# KiCad board rabbit_mask_capacitors_right.kicad_pcb (continued)
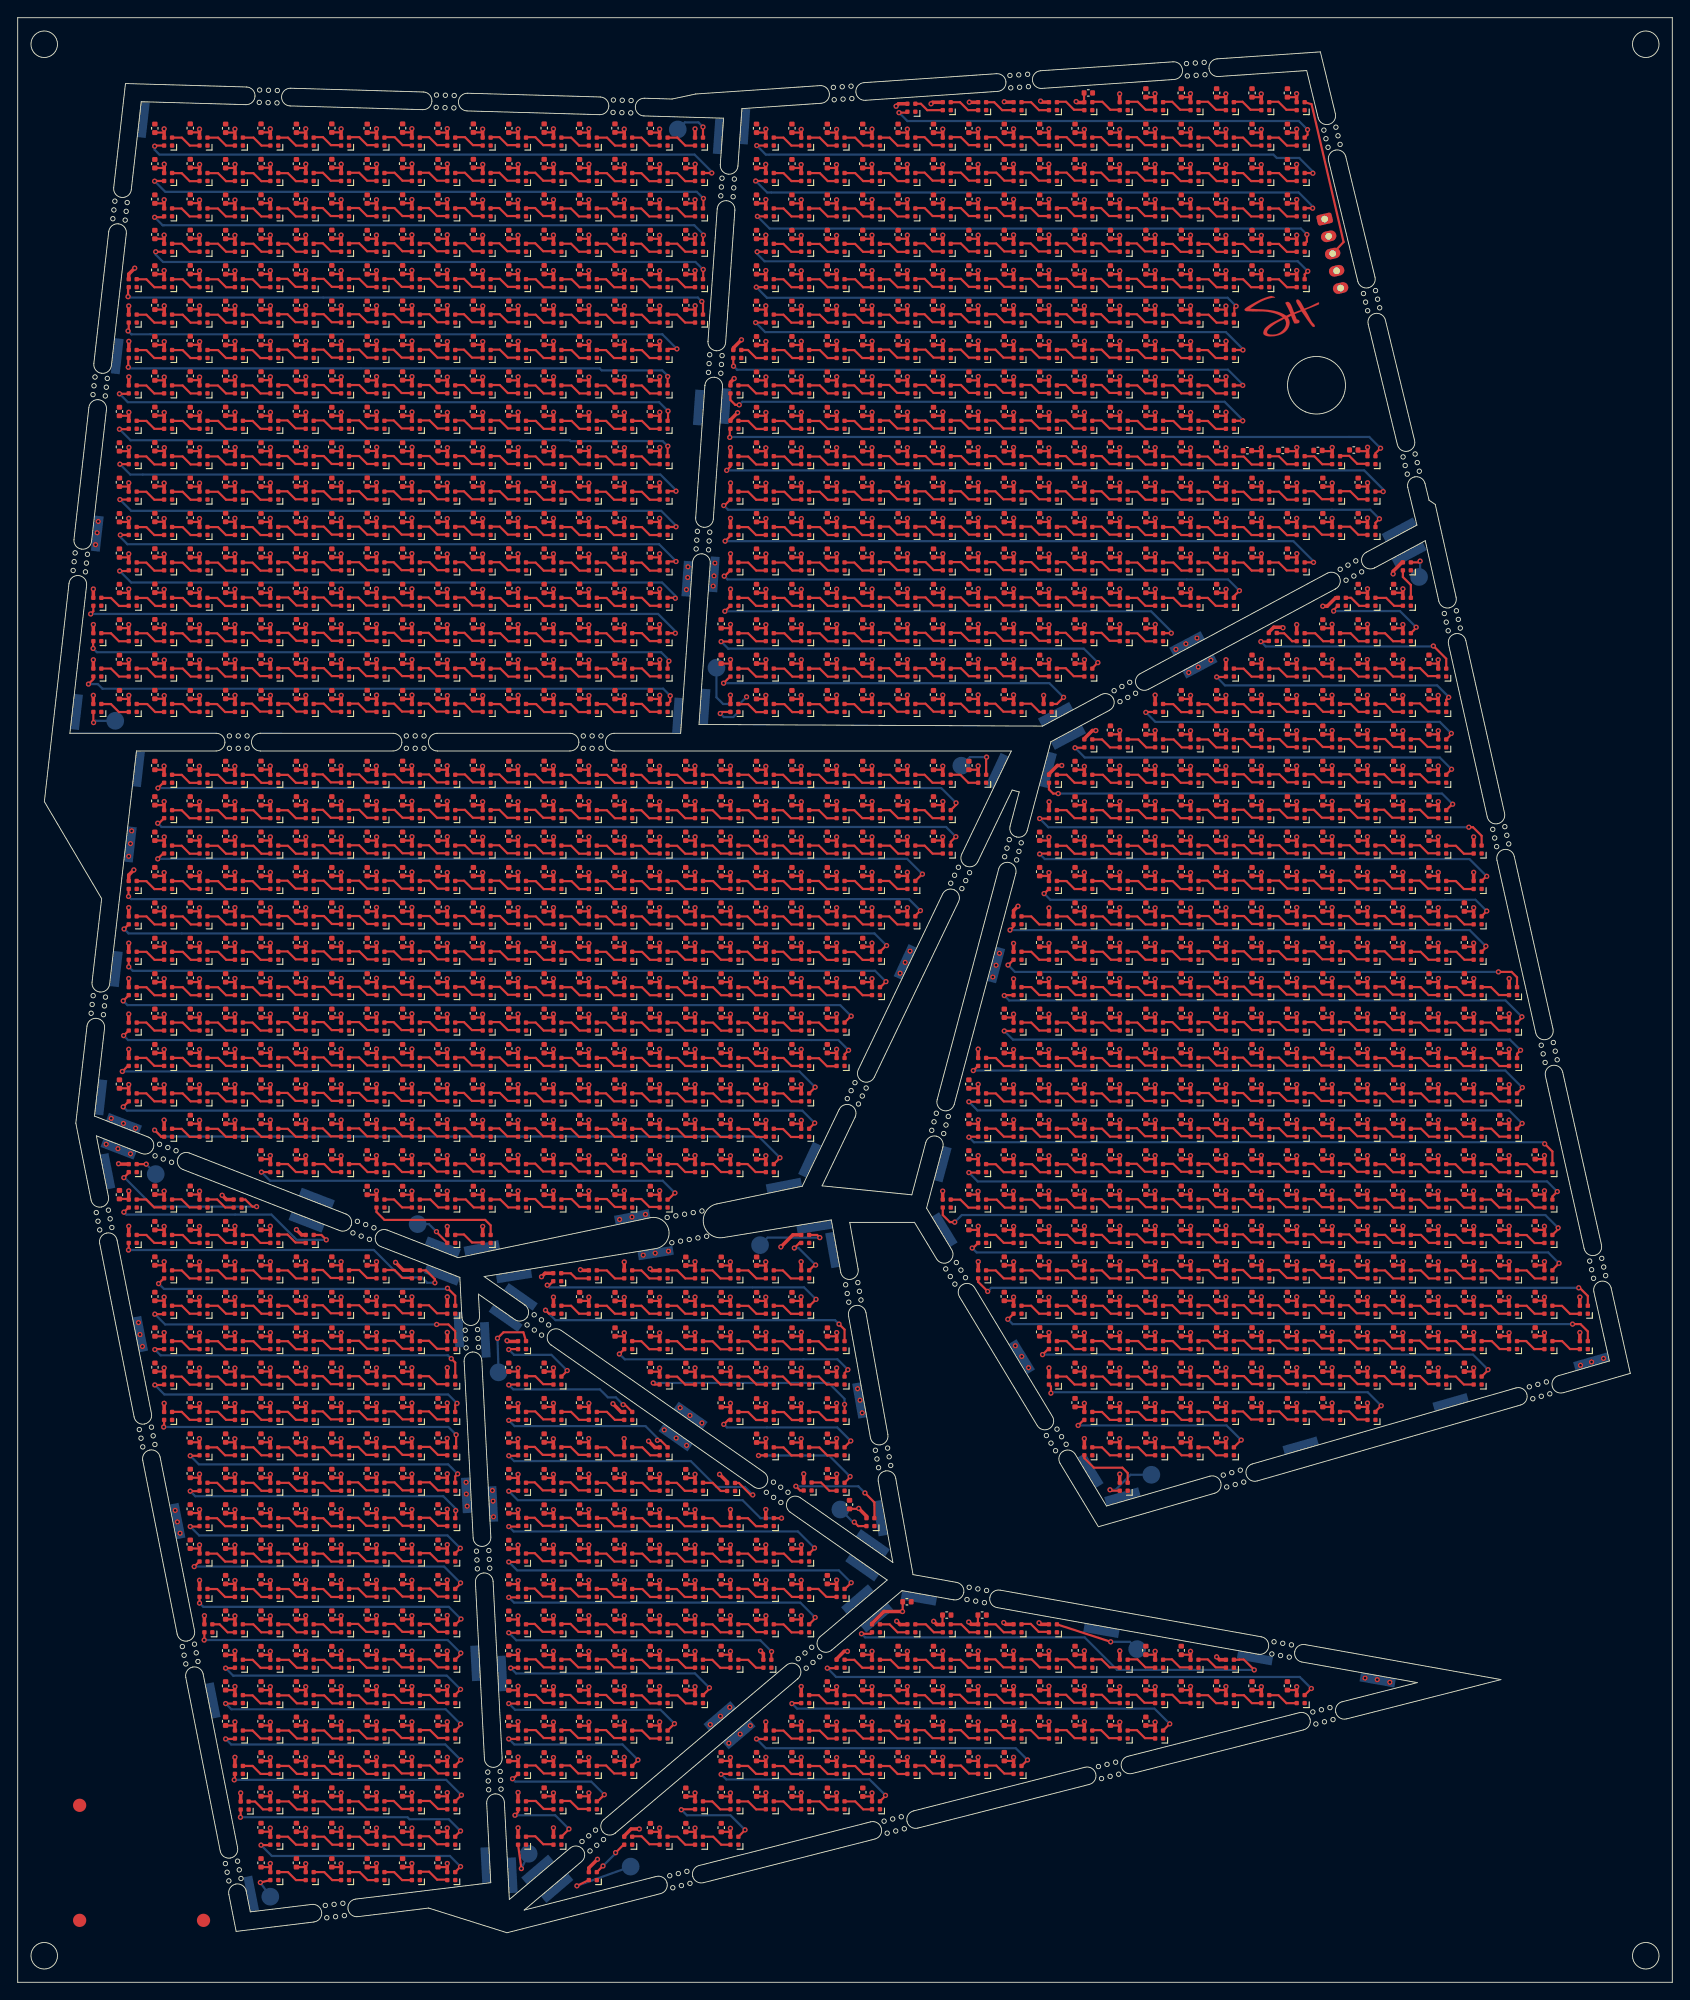
[diagram p0: board, top side]
## Routing (per net, layer and track width the routed paths; a pad name or vN(x,y) marks a point on that pad's centre or on a via; arc(x,y) is an arc through that point) (continued)
  Top w0.25: 101.5,184.49 102.6,184.49 103.5,183.59 104.6,183.59
Net-(D1716-DIN): length 3.5
  Top w0.25: 108.6,183.59 107.5,183.59 106.6,184.49 105.5,184.49
Net-(D1717-DIN): length 3.5
  Top w0.25: 112.5,183.59 111.4,183.59 110.5,184.49 109.4,184.49
Net-(D1718-DIN): length 3.5
  Top w0.25: 116.55,183.59 115.45,183.59 114.55,184.49 113.45,184.49
Net-(D1719-DIN): length 3.5
  Top w0.25: 120.45,183.59 119.35,183.59 118.45,184.49 117.35,184.49
Net-(D1720-DIN): length 3.5
  Top w0.25: 124.5,183.59 123.4,183.59 122.5,184.49 121.4,184.49
Net-(D1721-DIN): length 3.5
  Top w0.25: 128.55,183.54 127.45,183.54 126.55,184.44 125.45,184.44
Net-(D1722-DIN): length 3.5
  Top w0.25: 129.5,184.44 130.6,184.44 131.5,183.54 132.6,183.54
Net-(D1723-DIN): length 3.5
  Top w0.25: 136.5,183.54 135.4,183.54 134.5,184.44 133.4,184.44
Net-(D1725-DIN): length 3.5
  Top w0.25: 16.54,179.54 15.44,179.54 14.54,180.44 13.44,180.44
Net-(D1725-DOUT): length 65
  Top w0.25: v1(73.5,177.55) 73.5,176.5 D1771.1 ; v1(11.5,179.5) 12.5,179.5 D1725.3
  Bottom w0.25: v1(73.5,177.55) 72.5,178.55 12.45,178.55 v1(11.5,179.5)
Net-(D1726-DIN): length 3.5
  Top w0.25: 17.54,180.44 18.64,180.44 19.54,179.54 20.64,179.54
Net-(D1727-DIN): length 3.5
  Top w0.25: 21.54,180.44 22.64,180.44 23.54,179.54 24.64,179.54
Net-(D1728-DIN): length 3.5
  Top w0.25: 28.54,179.54 27.44,179.54 26.54,180.44 25.44,180.44
Net-(D1729-DIN): length 3.5
  Top w0.25: 32.49,179.59 31.39,179.59 30.49,180.49 29.39,180.49
Net-(D1730-DIN): length 3.5
  Top w0.25: 33.49,180.49 34.59,180.49 35.49,179.59 36.59,179.59
Net-(D1731-DIN): length 3.5
  Top w0.25: 40.59,179.59 39.49,179.59 38.59,180.49 37.49,180.49
Net-(D1732-DIN): length 3.5
  Top w0.25: 41.39,180.49 42.49,180.49 43.39,179.59 44.49,179.59
Net-(D1733-DIN): length 3.5
  Top w0.25: 45.44,180.49 46.54,180.49 47.44,179.59 48.54,179.59
Net-(D1734-DIN): length 3.5
  Top w0.25: 49.34,180.49 50.44,180.49 51.34,179.59 52.44,179.59
Net-(D1735-DIN): length 3.5
  Top w0.25: 56.49,179.59 55.39,179.59 54.49,180.49 53.39,180.49
Net-(D1736-DIN): length 3.5
  Top w0.25: 60.54,179.54 59.44,179.54 58.54,180.44 57.44,180.44
Net-(D1737-DIN): length 3.5
  Top w0.25: 64.59,179.54 63.49,179.54 62.59,180.44 61.49,180.44
Net-(D1738-DIN): length 3.5
  Top w0.25: 68.49,179.54 67.39,179.54 66.49,180.44 65.39,180.44
Net-(D1739-DIN): length 3.5
  Top w0.25: 69.44,180.44 70.54,180.44 71.44,179.54 72.54,179.54
Net-(D1741-DIN): length 3.5
  Top w0.25: D1742.3 83.45,179.55 82.55,180.45 D1741.1
Net-(D1741-DOUT): length 61
  Top w0.25: v1(81.55,178.25) 81.1,178.25 80.55,178.8 D1741.3 ; v1(138.45,176.45) D1786.1
  Bottom w0.25: v1(138.45,176.45) 138.45,176.55 136.4,178.6 81.9,178.6 v1(81.55,178.25)
Net-(D1742-DIN): length 3.5
  Top w0.25: 85.55,180.45 86.65,180.45 87.55,179.55 88.65,179.55
Net-(D1743-DIN): length 3.5
  Top w0.25: 89.55,180.45 90.65,180.45 91.55,179.55 92.65,179.55
Net-(D1744-DIN): length 3.5
  Top w0.25: D1745.3 95.45,179.55 94.55,180.45 D1744.1
Net-(D1745-DIN): length 3.5
  Top w0.25: 97.4,180.5 98.5,180.5 99.4,179.6 100.5,179.6
Net-(D1746-DIN): length 3.5
  Top w0.25: 101.5,180.5 102.6,180.5 103.5,179.6 104.6,179.6
Net-(D1747-DIN): length 3.5
  Top w0.25: 105.5,180.5 106.6,180.5 107.5,179.6 108.6,179.6
Net-(D1748-DIN): length 3.5
  Top w0.25: 109.4,180.5 110.5,180.5 111.4,179.6 112.5,179.6
Net-(D1749-DIN): length 3.5
  Top w0.25: 113.45,180.5 114.55,180.5 115.45,179.6 116.55,179.6
Net-(D1750-DIN): length 3.5
  Top w0.25: 120.45,179.6 119.35,179.6 118.45,180.5 117.35,180.5
Net-(D1751-DIN): length 3.5
  Top w0.25: 121.4,180.5 122.5,180.5 123.4,179.6 124.5,179.6
Net-(D1752-DIN): length 3.5
  Top w0.25: D1752.1 126.55,180.45 127.45,179.55 D1753.3
Net-(D1753-DIN): length 3.5
  Top w0.25: 129.5,180.45 130.6,180.45 131.5,179.55 132.6,179.55
Net-(D1754-DIN): length 3.5
  Top w0.25: 136.5,179.55 135.4,179.55 134.5,180.45 133.4,180.45
Net-(D1756-DIN): length 3.5
  Top w0.25: 16.55,175.54 15.45,175.54 14.55,176.44 13.45,176.44
Net-(D1756-DOUT): length 65
  Top w0.25: v1(73.48,173.57) 73.45,173.55 D1802.1 ; v1(11.5,175.5) 12.5,175.5 D1756.3
  Bottom w0.25: v1(73.48,173.57) 72.89,174.16 62.49,174.16 62.4,174.25 12.75,174.25 v1(11.5,175.5)
Net-(D1757-DIN): length 3.5
  Top w0.25: 17.55,176.44 18.65,176.44 19.55,175.54 20.65,175.54
Net-(D1758-DIN): length 3.5
  Top w0.25: 24.65,175.54 23.55,175.54 22.65,176.44 21.55,176.44
Net-(D1759-DIN): length 3.5
  Top w0.25: 25.45,176.44 26.55,176.44 27.45,175.54 28.55,175.54
Net-(D1760-DIN): length 3.5
  Top w0.25: 29.4,176.49 30.5,176.49 31.4,175.59 32.5,175.59
Net-(D1761-DIN): length 3.5
  Top w0.25: 33.5,176.49 34.6,176.49 35.5,175.59 36.6,175.59
Net-(D1762-DIN): length 3.5
  Top w0.25: 40.6,175.59 39.5,175.59 38.6,176.49 37.5,176.49
Net-(D1763-DIN): length 3.5
  Top w0.25: 41.4,176.49 42.5,176.49 43.4,175.59 44.5,175.59
Net-(D1764-DIN): length 3.5
  Top w0.25: 45.45,176.49 46.55,176.49 47.45,175.59 48.55,175.59
Net-(D1765-DIN): length 3.5
  Top w0.25: 52.45,175.59 51.35,175.59 50.45,176.49 49.35,176.49
Net-(D1766-DIN): length 3.5
  Top w0.25: 56.5,175.59 55.4,175.59 54.5,176.49 53.4,176.49
Net-(D1767-DIN): length 3.5
  Top w0.25: 60.55,175.54 59.45,175.54 58.55,176.44 57.45,176.44
Net-(D1768-DIN): length 3.5
  Top w0.25: 61.5,176.44 62.6,176.44 63.5,175.54 64.6,175.54
Net-(D1769-DIN): length 3.5
  Top w0.25: 68.5,175.54 67.4,175.54 66.5,176.44 65.4,176.44
Net-(D1770-DIN): length 3.5
  Top w0.25: 69.45,176.44 70.55,176.44 71.45,175.54 72.55,175.54
Net-(D1772-DIN): length 3.5
  Top w0.25: 81.46,176.43 82.56,176.43 83.46,175.53 84.56,175.53
Net-(D1772-DOUT): length 76.2
  Top w0.25: D1772.3 80.48,175.47 v1(80.48,174.57) ; v1(154.02,173.35) 153.45,172.78 D1821.1
  Bottom w0.25: v1(154.02,173.35) 152.75,174.62 80.52,174.62 v1(80.48,174.57)
Net-(D1773-DIN): length 3.5
  Top w0.25: 85.56,176.43 86.66,176.43 87.56,175.53 88.66,175.53
Net-(D1774-DIN): length 3.5
  Top w0.25: 92.66,175.53 91.56,175.53 90.66,176.43 89.56,176.43
Net-(D1775-DIN): length 3.5
  Top w0.25: 96.56,175.53 95.46,175.53 94.56,176.43 93.46,176.43
Net-(D1776-DIN): length 3.5
  Top w0.25: 97.41,176.48 98.51,176.48 99.41,175.58 100.51,175.58
Net-(D1777-DIN): length 3.5
  Top w0.25: 101.51,176.48 102.61,176.48 103.51,175.58 104.61,175.58
Net-(D1778-DIN): length 3.5
  Top w0.25: 105.51,176.48 106.61,176.48 107.51,175.58 108.61,175.58
Net-(D1779-DIN): length 3.5
  Top w0.25: 109.41,176.48 110.51,176.48 111.41,175.58 112.51,175.58
Net-(D1780-DIN): length 3.5
  Top w0.25: 113.46,176.48 114.56,176.48 115.46,175.58 116.56,175.58
Net-(D1781-DIN): length 3.5
  Top w0.25: 117.36,176.48 118.46,176.48 119.36,175.58 120.46,175.58
Net-(D1782-DIN): length 3.5
  Top w0.25: 121.41,176.48 122.51,176.48 123.41,175.58 124.51,175.58
Net-(D1783-DIN): length 3.5
  Top w0.25: 128.56,175.53 127.46,175.53 126.56,176.43 125.46,176.43
Net-(D1784-DIN): length 3.5
  Top w0.25: 132.61,175.53 131.51,175.53 130.61,176.43 129.51,176.43
Net-(D1785-DIN): length 3.5
  Top w0.25: 133.41,176.43 134.51,176.43 135.41,175.53 136.51,175.53
Net-(D1787-DIN): length 3.5
  Top w0.25: 13.44,172.42 14.54,172.42 15.44,171.52 16.54,171.52
Net-(D1787-DOUT): length 66.1
  Top w0.25: v1(74.4,168.5) 73.5,168.5 D1837.1 ; D1787.3 v1(11.55,171.55)
  Bottom w0.25: v1(11.55,171.55) 12.72,170.38 72.64,170.38 74.4,168.61 v1(74.4,168.5)
Net-(D1788-DIN): length 3.5
  Top w0.25: 17.54,172.42 18.64,172.42 19.54,171.52 20.64,171.52
Net-(D1789-DIN): length 3.5
  Top w0.25: 24.64,171.52 23.54,171.52 22.64,172.42 21.54,172.42
Net-(D1790-DIN): length 3.5
  Top w0.25: 28.54,171.52 27.44,171.52 26.54,172.42 25.44,172.42
Net-(D1791-DIN): length 3.5
  Top w0.25: 32.49,171.57 31.39,171.57 30.49,172.47 29.39,172.47
Net-(D1792-DIN): length 3.5
  Top w0.25: 36.59,171.57 35.49,171.57 34.59,172.47 33.49,172.47
Net-(D1793-DIN): length 3.5
  Top w0.25: 40.59,171.57 39.49,171.57 38.59,172.47 37.49,172.47
Net-(D1794-DIN): length 3.5
  Top w0.25: 41.39,172.47 42.49,172.47 43.39,171.57 44.49,171.57
Net-(D1795-DIN): length 3.5
  Top w0.25: 48.54,171.57 47.44,171.57 46.54,172.47 45.44,172.47
Net-(D1796-DIN): length 3.5
  Top w0.25: 52.44,171.57 51.34,171.57 50.44,172.47 49.34,172.47
Net-(D1797-DIN): length 3.5
  Top w0.25: 56.49,171.57 55.39,171.57 54.49,172.47 53.39,172.47
Net-(D1798-DIN): length 3.5
  Top w0.25: 57.44,172.42 58.54,172.42 59.44,171.52 60.54,171.52
Net-(D1799-DIN): length 3.5
  Top w0.25: 61.49,172.42 62.59,172.42 63.49,171.52 64.59,171.52
Net-(D1800-DIN): length 3.5
  Top w0.25: 65.39,172.42 66.49,172.42 67.39,171.52 68.49,171.52
Net-(D1801-DIN): length 3.5
  Top w0.25: 69.44,172.42 70.54,172.42 71.44,171.52 72.54,171.52
Net-(D1803-DIN): length 3.5
  Top w0.25: 81.46,172.41 82.56,172.41 83.46,171.51 84.56,171.51
Net-(D1803-DOUT): length 77.1
  Top w0.25: D1803.3 80.55,171.28 v1(80.12,170.85) ; v1(154.32,168.45) D1856.1
  Bottom w0.25: v1(154.32,168.45) 154.32,168.7 152.18,170.85 v1(80.12,170.85)
Net-(D1804-DIN): length 3.5
  Top w0.25: 85.56,172.41 86.66,172.41 87.56,171.51 88.66,171.51
Net-(D1805-DIN): length 3.5
  Top w0.25: 92.66,171.51 91.56,171.51 90.66,172.41 89.56,172.41
Net-(D1806-DIN): length 3.5
  Top w0.25: 93.46,172.41 94.56,172.41 95.46,171.51 96.56,171.51
Net-(D1807-DIN): length 3.5
  Top w0.25: 97.41,172.46 98.51,172.46 99.41,171.56 100.51,171.56
Net-(D1808-DIN): length 3.5
  Top w0.25: 101.51,172.46 102.61,172.46 103.51,171.56 104.61,171.56
Net-(D1809-DIN): length 3.5
  Top w0.25: 108.61,171.56 107.51,171.56 106.61,172.46 105.51,172.46
Net-(D1810-DIN): length 3.5
  Top w0.25: 112.51,171.56 111.41,171.56 110.51,172.46 109.41,172.46
Net-(D1811-DIN): length 3.5
  Top w0.25: 113.46,172.46 114.56,172.46 115.46,171.56 116.56,171.56
Net-(D1812-DIN): length 3.5
  Top w0.25: 117.36,172.46 118.46,172.46 119.36,171.56 120.46,171.56
Net-(D1813-DIN): length 3.5
  Top w0.25: 121.41,172.46 122.51,172.46 123.41,171.56 124.51,171.56
Net-(D1814-DIN): length 3.5
  Top w0.25: 125.46,172.41 126.56,172.41 127.46,171.51 128.56,171.51
Net-(D1815-DIN): length 3.5
  Top w0.25: 129.51,172.41 130.61,172.41 131.51,171.51 132.61,171.51
Net-(D1816-DIN): length 3.5
  Top w0.25: 133.41,172.41 134.51,172.41 135.41,171.51 136.51,171.51
Net-(D1817-DIN): length 3.5
  Top w0.25: 137.46,172.41 138.56,172.41 139.46,171.51 140.56,171.51
Net-(D1818-DIN): length 3.5
  Top w0.25: 144.54,171.54 143.44,171.54 142.54,172.44 141.44,172.44
Net-(D1819-DIN): length 3.5
  Top w0.25: 148.54,171.54 147.44,171.54 146.54,172.44 145.44,172.44
Net-(D1820-DIN): length 3.5
  Top w0.25: 149.39,172.49 150.49,172.49 151.39,171.59 152.49,171.59
Net-(D1822-DIN): length 3.5
  Top w0.25: 13.44,168.43 14.54,168.43 15.44,167.53 16.54,167.53
Net-(D1822-DOUT): length 66.2
  Top w0.25: v1(74.4,164.47) 74.38,164.45 D1872.1 ; v1(11.55,167.55) D1822.3
  Bottom w0.25: v1(74.4,164.47) 74.4,164.6 72.73,166.28 12.82,166.28 v1(11.55,167.55)
Net-(D1823-DIN): length 3.5
  Top w0.25: 17.54,168.43 18.64,168.43 19.54,167.53 20.64,167.53
Net-(D1824-DIN): length 3.5
  Top w0.25: 24.64,167.53 23.54,167.53 22.64,168.43 21.54,168.43
Net-(D1825-DIN): length 3.5
  Top w0.25: 25.44,168.43 26.54,168.43 27.44,167.53 28.54,167.53
Net-(D1826-DIN): length 3.5
  Top w0.25: 32.49,167.58 31.39,167.58 30.49,168.48 29.39,168.48
Net-(D1827-DIN): length 3.5
  Top w0.25: 36.59,167.58 35.49,167.58 34.59,168.48 33.49,168.48
Net-(D1828-DIN): length 3.5
  Top w0.25: 37.49,168.48 38.59,168.48 39.49,167.58 40.59,167.58
Net-(D1829-DIN): length 3.5
  Top w0.25: 44.49,167.58 43.39,167.58 42.49,168.48 41.39,168.48
Net-(D1830-DIN): length 3.5
  Top w0.25: 45.44,168.48 46.54,168.48 47.44,167.58 48.54,167.58
Net-(D1831-DIN): length 3.5
  Top w0.25: 49.34,168.48 50.44,168.48 51.34,167.58 52.44,167.58
Net-(D1832-DIN): length 3.5
  Top w0.25: 53.39,168.48 54.49,168.48 55.39,167.58 56.49,167.58
Net-(D1833-DIN): length 3.5
  Top w0.25: 60.54,167.53 59.44,167.53 58.54,168.43 57.44,168.43
Net-(D1834-DIN): length 3.5
  Top w0.25: 61.49,168.43 62.59,168.43 63.49,167.53 64.59,167.53
Net-(D1835-DIN): length 3.5
  Top w0.25: 65.39,168.43 66.49,168.43 67.39,167.53 68.49,167.53
Net-(D1836-DIN): length 3.5
  Top w0.25: 69.44,168.43 70.54,168.43 71.44,167.53 72.54,167.53
Net-(D1838-DIN): length 3.5
  Top w0.25: 84.55,167.53 83.45,167.53 82.55,168.43 81.45,168.43
Net-(D1838-DOUT): length 76.9
  Top w0.25: v1(153.9,165.38) 153.45,164.93 D1891.1 ; v1(79.8,166.88) 79.88,166.88 D1838.3
  Bottom w0.25: v1(153.9,165.38) 152.88,166.4 80.27,166.4 v1(79.8,166.88)
Net-(D1839-DIN): length 3.5
  Top w0.25: 85.55,168.43 86.65,168.43 87.55,167.53 88.65,167.53
Net-(D1840-DIN): length 3.5
  Top w0.25: 89.55,168.43 90.65,168.43 91.55,167.53 92.65,167.53
Net-(D1841-DIN): length 3.5
  Top w0.25: 93.45,168.43 94.55,168.43 95.45,167.53 96.55,167.53
Net-(D1842-DIN): length 3.5
  Top w0.25: 100.5,167.58 99.4,167.58 98.5,168.48 97.4,168.48
Net-(D1843-DIN): length 3.5
  Top w0.25: 104.6,167.58 103.5,167.58 102.6,168.48 101.5,168.48
Net-(D1844-DIN): length 3.5
  Top w0.25: 108.6,167.58 107.5,167.58 106.6,168.48 105.5,168.48
Net-(D1845-DIN): length 3.5
  Top w0.25: 112.5,167.58 111.4,167.58 110.5,168.48 109.4,168.48
Net-(D1846-DIN): length 3.5
  Top w0.25: 113.45,168.48 114.55,168.48 115.45,167.58 116.55,167.58
Net-(D1847-DIN): length 3.5
  Top w0.25: 120.45,167.58 119.35,167.58 118.45,168.48 117.35,168.48
Net-(D1848-DIN): length 3.5
  Top w0.25: 121.4,168.48 122.5,168.48 123.4,167.58 124.5,167.58
Net-(D1849-DIN): length 3.5
  Top w0.25: 125.45,168.43 126.55,168.43 127.45,167.53 128.55,167.53
Net-(D1850-DIN): length 3.5
  Top w0.25: 132.6,167.53 131.5,167.53 130.6,168.43 129.5,168.43
Net-(D1851-DIN): length 3.5
  Top w0.25: 133.4,168.43 134.5,168.43 135.4,167.53 136.5,167.53
Net-(D1852-DIN): length 3.5
  Top w0.25: 140.55,167.53 139.45,167.53 138.55,168.43 137.45,168.43
Net-(D1853-DIN): length 3.5
  Top w0.25: 141.45,168.44 142.55,168.44 143.45,167.54 144.55,167.54
Net-(D1854-DIN): length 3.5
  Top w0.25: 145.4,168.49 146.5,168.49 147.4,167.59 148.5,167.59
Net-(D1855-DIN): length 3.5
  Top w0.25: 152.6,167.59 151.5,167.59 150.6,168.49 149.5,168.49
Net-(D1857-DIN): length 3.5
  Top w0.25: 16.54,163.54 15.44,163.54 14.54,164.44 13.44,164.44
Net-(D1857-DOUT): length 66.2
  Top w0.25: D1907.1 73.55,160.55 v1(74.4,160.55) ; D1857.3 v1(11.6,163.55)
  Bottom w0.25: v1(11.6,163.55) 11.6,163.3 12.4,162.5 72.49,162.5 74.4,160.59 v1(74.4,160.55)
Net-(D1858-DIN): length 3.5
  Top w0.25: 17.54,164.44 18.64,164.44 19.54,163.54 20.64,163.54
Net-(D1859-DIN): length 3.5
  Top w0.25: 24.64,163.54 23.54,163.54 22.64,164.44 21.54,164.44
Net-(D1860-DIN): length 3.5
  Top w0.25: 25.44,164.44 26.54,164.44 27.44,163.54 28.54,163.54
Net-(D1861-DIN): length 3.5
  Top w0.25: 29.39,164.49 30.49,164.49 31.39,163.59 32.49,163.59
Net-(D1862-DIN): length 3.5
  Top w0.25: 36.59,163.59 35.49,163.59 34.59,164.49 33.49,164.49
Net-(D1863-DIN): length 3.5
  Top w0.25: 40.59,163.59 39.49,163.59 38.59,164.49 37.49,164.49
Net-(D1864-DIN): length 3.5
  Top w0.25: 44.49,163.59 43.39,163.59 42.49,164.49 41.39,164.49
Net-(D1865-DIN): length 3.5
  Top w0.25: 45.44,164.49 46.54,164.49 47.44,163.59 48.54,163.59
Net-(D1866-DIN): length 3.5
  Top w0.25: 52.44,163.59 51.34,163.59 50.44,164.49 49.34,164.49
Net-(D1867-DIN): length 3.5
  Top w0.25: 53.39,164.49 54.49,164.49 55.39,163.59 56.49,163.59
Net-(D1868-DIN): length 3.5
  Top w0.25: 57.44,164.44 58.54,164.44 59.44,163.54 60.54,163.54
Net-(D1869-DIN): length 3.5
  Top w0.25: 61.49,164.44 62.59,164.44 63.49,163.54 64.59,163.54
Net-(D1870-DIN): length 3.5
  Top w0.25: 68.49,163.54 67.39,163.54 66.49,164.44 65.39,164.44
Net-(D1871-DIN): length 3.5
  Top w0.25: 69.44,164.44 70.54,164.44 71.44,163.54 72.54,163.54
Net-(D1873-DIN): length 3.5
  Top w0.25: 84.55,163.54 83.45,163.54 82.55,164.44 81.45,164.44
Net-(D1873-DOUT): length 69.5
  Top w0.25: D1873.3 80.55,163.45 v1(79.95,162.85) ; v1(146.45,160.45) D1924.1
  Bottom w0.25: v1(79.95,162.85) 144.17,162.85 146.45,160.57 v1(146.45,160.45)
Net-(D1874-DIN): length 3.5
  Top w0.25: 85.55,164.44 86.65,164.44 87.55,163.54 88.65,163.54
Net-(D1875-DIN): length 3.5
  Top w0.25: 92.65,163.54 91.55,163.54 90.65,164.44 89.55,164.44
Net-(D1876-DIN): length 3.5
  Top w0.25: 93.45,164.44 94.55,164.44 95.45,163.54 96.55,163.54
Net-(D1877-DIN): length 3.5
  Top w0.25: 100.5,163.59 99.4,163.59 98.5,164.49 97.4,164.49
Net-(D1878-DIN): length 3.5
  Top w0.25: 104.6,163.59 103.5,163.59 102.6,164.49 101.5,164.49
Net-(D1879-DIN): length 3.5
  Top w0.25: 105.5,164.49 106.6,164.49 107.5,163.59 108.6,163.59
Net-(D1880-DIN): length 3.5
  Top w0.25: 112.5,163.59 111.4,163.59 110.5,164.49 109.4,164.49
Net-(D1881-DIN): length 3.5
  Top w0.25: 116.55,163.59 115.45,163.59 114.55,164.49 113.45,164.49
Net-(D1882-DIN): length 3.5
  Top w0.25: 120.45,163.59 119.35,163.59 118.45,164.49 117.35,164.49
Net-(D1883-DIN): length 3.5
  Top w0.25: 124.5,163.59 123.4,163.59 122.5,164.49 121.4,164.49
Net-(D1884-DIN): length 3.5
  Top w0.25: 125.45,164.44 126.55,164.44 127.45,163.54 128.55,163.54
Net-(D1885-DIN): length 3.5
  Top w0.25: 129.5,164.44 130.6,164.44 131.5,163.54 132.6,163.54
Net-(D1886-DIN): length 3.5
  Top w0.25: 136.5,163.54 135.4,163.54 134.5,164.44 133.4,164.44
Net-(D1887-DIN): length 3.5
  Top w0.25: 140.55,163.54 139.45,163.54 138.55,164.44 137.45,164.44
Net-(D1888-DIN): length 3.5
  Top w0.25: 144.55,163.53 143.45,163.53 142.55,164.43 141.45,164.43
Net-(D1889-DIN): length 3.5
  Top w0.25: 145.4,164.48 146.5,164.48 147.4,163.58 148.5,163.58
Net-(D1890-DIN): length 3.5
  Top w0.25: 149.5,164.48 150.6,164.48 151.5,163.58 152.6,163.58
Net-(D1892-DIN): length 3.5
  Top w0.25: 16.54,159.52 15.44,159.52 14.54,160.42 13.44,160.42
Net-(D1892-DOUT): length 66.2
  Top w0.25: D1942.1 74.27,156.45 v1(74.32,156.4) ; D1892.3 12.47,159.47 v1(11.53,159.47)
  Bottom w0.25: v1(11.53,159.47) 12.82,158.18 72.83,158.18 74.32,156.68 v1(74.32,156.4)
Net-(D1893-DIN): length 3.5
  Top w0.25: 17.54,160.42 18.64,160.42 19.54,159.52 20.64,159.52
Net-(D1894-DIN): length 3.5
  Top w0.25: 21.54,160.42 22.64,160.42 23.54,159.52 24.64,159.52
Net-(D1895-DIN): length 3.5
  Top w0.25: 25.44,160.42 26.54,160.42 27.44,159.52 28.54,159.52
Net-(D1896-DIN): length 3.5
  Top w0.25: 29.39,160.47 30.49,160.47 31.39,159.57 32.49,159.57
Net-(D1897-DIN): length 3.5
  Top w0.25: 33.49,160.47 34.59,160.47 35.49,159.57 36.59,159.57
Net-(D1898-DIN): length 3.5
  Top w0.25: 37.49,160.47 38.59,160.47 39.49,159.57 40.59,159.57
Net-(D1899-DIN): length 3.5
  Top w0.25: 41.39,160.47 42.49,160.47 43.39,159.57 44.49,159.57
Net-(D1900-DIN): length 3.5
  Top w0.25: 45.44,160.47 46.54,160.47 47.44,159.57 48.54,159.57
Net-(D1901-DIN): length 3.5
  Top w0.25: 52.44,159.57 51.34,159.57 50.44,160.47 49.34,160.47
Net-(D1902-DIN): length 3.5
  Top w0.25: 56.49,159.57 55.39,159.57 54.49,160.47 53.39,160.47
Net-(D1903-DIN): length 3.5
  Top w0.25: 57.44,160.42 58.54,160.42 59.44,159.52 60.54,159.52
Net-(D1904-DIN): length 3.5
  Top w0.25: 64.59,159.52 63.49,159.52 62.59,160.42 61.49,160.42
Net-(D1905-DIN): length 3.5
  Top w0.25: 65.39,160.42 66.49,160.42 67.39,159.52 68.49,159.52
Net-(D1906-DIN): length 3.5
  Top w0.25: 69.44,160.42 70.54,160.42 71.44,159.52 72.54,159.52
Net-(D1908-DIN): length 3.5
  Top w0.25: 81.46,160.43 82.56,160.43 83.46,159.53 84.56,159.53
Net-(D1908-DOUT): length 60.9
  Top w0.25: v1(138.07,157.25) 137.45,156.62 D1957.1 ; v1(79.85,158.9) 79.9,158.9 D1908.3
  Bottom w0.25: v1(79.85,158.9) 80.23,158.53 136.8,158.53 v1(138.07,157.25)
Net-(D1909-DIN): length 3.5
  Top w0.25: 85.56,160.43 86.66,160.43 87.56,159.53 88.66,159.53
Net-(D1910-DIN): length 3.5
  Top w0.25: 89.56,160.43 90.66,160.43 91.56,159.53 92.66,159.53
Net-(D1911-DIN): length 3.5
  Top w0.25: 93.46,160.43 94.56,160.43 95.46,159.53 96.56,159.53
Net-(D1912-DIN): length 3.5
  Top w0.25: 97.41,160.48 98.51,160.48 99.41,159.58 100.51,159.58
Net-(D1913-DIN): length 3.5
  Top w0.25: 101.51,160.48 102.61,160.48 103.51,159.58 104.61,159.58
Net-(D1914-DIN): length 3.5
  Top w0.25: 105.51,160.48 106.61,160.48 107.51,159.58 108.61,159.58
Net-(D1915-DIN): length 3.5
  Top w0.25: 112.51,159.58 111.41,159.58 110.51,160.48 109.41,160.48
Net-(D1916-DIN): length 3.5
  Top w0.25: 116.56,159.58 115.46,159.58 114.56,160.48 113.46,160.48
Net-(D1917-DIN): length 3.5
  Top w0.25: 120.46,159.58 119.36,159.58 118.46,160.48 117.36,160.48
Net-(D1918-DIN): length 3.5
  Top w0.25: 121.41,160.48 122.51,160.48 123.41,159.58 124.51,159.58
Net-(D1919-DIN): length 3.5
  Top w0.25: 125.46,160.43 126.56,160.43 127.46,159.53 128.56,159.53
Net-(D1920-DIN): length 3.5
  Top w0.25: 129.51,160.43 130.61,160.43 131.51,159.53 132.61,159.53
Net-(D1921-DIN): length 3.5
  Top w0.25: 133.41,160.43 134.51,160.43 135.41,159.53 136.51,159.53
Net-(D1922-DIN): length 3.5
  Top w0.25: 140.56,159.53 139.46,159.53 138.56,160.43 137.46,160.43
Net-(D1923-DIN): length 3.5
  Top w0.25: 144.52,159.54 143.42,159.54 142.52,160.44 141.42,160.44
Net-(D1925-DOUT): length 3.5
  Top w0.25: D1960.1 157.45,157.9 156.55,158.8 D1925.3
Net-(D1926-DIN): length 3.5
  Top w0.25: 12.55,155.53 11.45,155.53 10.55,156.43 9.45,156.43
Net-(D1926-DOUT): length 69
  Top w0.25: D1926.3 8.55,154.93 v1(8.25,154.62) ; v1(74.32,152.45) D1977.1
  Bottom w0.25: v1(74.32,152.45) 74.32,152.68 72.38,154.62 v1(8.25,154.62)
Net-(D1927-DIN): length 3.5
  Top w0.25: 16.65,155.53 15.55,155.53 14.65,156.43 13.55,156.43
Net-(D1928-DIN): length 3.5
  Top w0.25: 17.55,156.43 18.65,156.43 19.55,155.53 20.65,155.53
Net-(D1929-DIN): length 3.5
  Top w0.25: 21.45,156.43 22.55,156.43 23.45,155.53 24.55,155.53
Net-(D1930-DIN): length 3.5
  Top w0.25: 25.4,156.48 26.5,156.48 27.4,155.58 28.5,155.58
Net-(D1931-DIN): length 3.5
  Top w0.25: 29.5,156.48 30.6,156.48 31.5,155.58 32.6,155.58
Net-(D1932-DIN): length 3.5
  Top w0.25: 33.5,156.48 34.6,156.48 35.5,155.58 36.6,155.58
Net-(D1933-DIN): length 3.5
  Top w0.25: 40.5,155.58 39.4,155.58 38.5,156.48 37.4,156.48
Net-(D1934-DIN): length 3.5
  Top w0.25: 44.55,155.58 43.45,155.58 42.55,156.48 41.45,156.48
Net-(D1935-DIN): length 3.5
  Top w0.25: 48.45,155.58 47.35,155.58 46.45,156.48 45.35,156.48
Net-(D1936-DIN): length 3.5
  Top w0.25: 49.4,156.48 50.5,156.48 51.4,155.58 52.5,155.58
Net-(D1937-DIN): length 3.5
  Top w0.25: 53.45,156.43 54.55,156.43 55.45,155.53 56.55,155.53
Net-(D1938-DIN): length 3.5
  Top w0.25: 57.5,156.43 58.6,156.43 59.5,155.53 60.6,155.53
Net-(D1939-DIN): length 3.5
  Top w0.25: 61.4,156.43 62.5,156.43 63.4,155.53 64.5,155.53
Net-(D1940-DIN): length 3.5
  Top w0.25: 65.45,156.43 66.55,156.43 67.45,155.53 68.55,155.53
Net-(D1941-DIN): length 3.5
  Top w0.25: D1942.3 71.45,155.55 70.55,156.45 D1941.1
Net-(D1943-DIN): length 3.5
  Top w0.25: 81.45,156.44 82.55,156.44 83.45,155.54 84.55,155.54
Net-(D1943-DOUT): length 53.4
  Top w0.25: D1943.3 v1(79.93,154.93) ; v1(130.38,152.45) D1990.1
  Bottom w0.25: v1(130.38,152.45) 130.38,152.65 128.1,154.93 v1(79.93,154.93)
Net-(D1944-DIN): length 3.5
  Top w0.25: 88.65,155.54 87.55,155.54 86.65,156.44 85.55,156.44
Net-(D1945-DIN): length 3.5
  Top w0.25: 92.65,155.54 91.55,155.54 90.65,156.44 89.55,156.44
Net-(D1946-DIN): length 3.5
  Top w0.25: 96.55,155.54 95.45,155.54 94.55,156.44 93.45,156.44
Net-(D1947-DIN): length 3.5
  Top w0.25: 97.4,156.49 98.5,156.49 99.4,155.59 100.5,155.59
Net-(D1948-DIN): length 3.5
  Top w0.25: 101.5,156.49 102.6,156.49 103.5,155.59 104.6,155.59
Net-(D1949-DIN): length 3.5
  Top w0.25: 105.5,156.49 106.6,156.49 107.5,155.59 108.6,155.59
Net-(D1950-DIN): length 3.5
  Top w0.25: 112.5,155.59 111.4,155.59 110.5,156.49 109.4,156.49
Net-(D1951-DIN): length 3.5
  Top w0.25: 113.45,156.49 114.55,156.49 115.45,155.59 116.55,155.59
Net-(D1952-DIN): length 3.5
  Top w0.25: 120.45,155.59 119.35,155.59 118.45,156.49 117.35,156.49
Net-(D1953-DIN): length 3.5
  Top w0.25: 124.5,155.59 123.4,155.59 122.5,156.49 121.4,156.49
Net-(D1954-DIN): length 3.5
  Top w0.25: 125.45,156.44 126.55,156.44 127.45,155.54 128.55,155.54
Net-(D1955-DIN): length 3.5
  Top w0.25: 132.6,155.54 131.5,155.54 130.6,156.44 129.5,156.44
Net-(D1956-DIN): length 3.5
  Top w0.25: 136.5,155.54 135.4,155.54 134.5,156.44 133.4,156.44
Net-(D1958-DIN): length 2.8
  Top w0.25: 152.56,155.54 151.61,155.54 150.7,156.45 D1958.1
Net-(D1958-DOUT): length 11.8
  Top w0.25: D1995.1 158.05,153.05 v1(158.05,153.12) ; v1(148.73,154.95) 148.73,155.07 D1958.3
  Bottom w0.25: v1(158.05,153.12) 156.23,154.95 v1(148.73,154.95)
Net-(D1959-DIN): length 3.5
  Top w0.25: 156.66,155.54 155.56,155.54 154.66,156.44 153.56,156.44
Net-(D1961-DIN): length 3.5
  Top w0.25: 9.44,152.44 10.54,152.44 11.44,151.54 12.54,151.54
Net-(D1961-DOUT): length 67.5
  Top w0.25: v1(73.6,149.3) 73.45,149.15 D2012.1 ; v1(8.53,150.72) 8.53,151.53 D1961.3
  Bottom w0.25: v1(73.6,149.3) 73.6,149.42 72.72,150.3 8.95,150.3 v1(8.53,150.72)
Net-(D1962-DIN): length 3.5
  Top w0.25: 16.64,151.54 15.54,151.54 14.64,152.44 13.54,152.44
Net-(D1963-DIN): length 3.5
  Top w0.25: 17.54,152.44 18.64,152.44 19.54,151.54 20.64,151.54
Net-(D1964-DIN): length 3.5
  Top w0.25: 21.44,152.44 22.54,152.44 23.44,151.54 24.54,151.54
Net-(D1965-DIN): length 3.5
  Top w0.25: 28.49,151.59 27.39,151.59 26.49,152.49 25.39,152.49
